# EAGLE board Mk4 Final Panel 8up 4x2 (EAGLE 9.0.1), part 22 of 23 (continued)
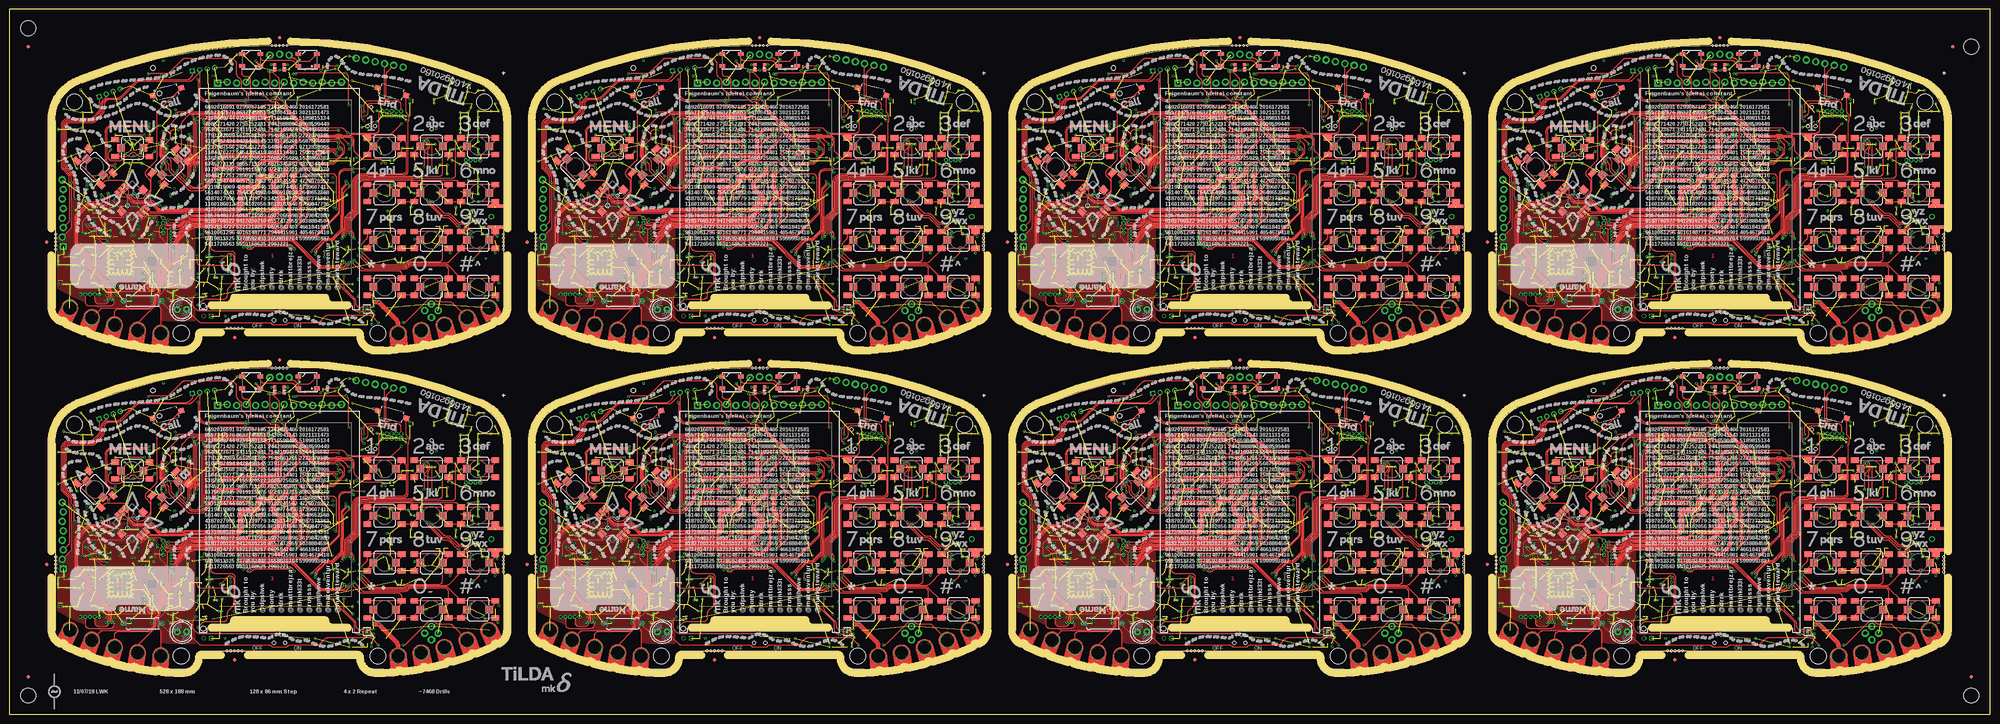
[diagram p0: board, top side]
## Tracks (layer width: path | path; a pad name or v marks a point on that pad's centre or on a via) (continued)
V_UNREG  (via drill 0.3)  (10 unrouted)
  Top 0.2: v60,27.45 v60,27.44 60.08,27.52 60.08,36.6 arc90 59.08,37.6 54.75,37.6 arc-90 53.75,38.6 53.75,40.74 arc45 53.46,41.44 v51.95,42.95
  Top 1.25: 103.62,17.38 103.62,18.05 arc45 103.03,19.47 v98.5,24 v97.25,24
  Top 1.5: PCB.VBATT 103.62,17.38
  3V3@2 1.25: v55.7,27.5 v56.5,27.5 56.55,27.45 v60,27.45 85,27.45 87.25,25.2 91.55,25.2 92.75,24 v97.25,24 v98.5,24
  Bottom 0.2: 53.5,33.45 IC8.15 53.5,33 | IC8.16 53,33 | R18.2 arc90 53.05,43.2 52.55,43.2 arc45 v51.95,42.95
  Bottom 0.4: TP18.TP v56.5,27.5
  pour Bottom (no thermals): 47.5,31 47.5,30 arc90 48,29.5 49,29.5 arc-90 49.5,29 49.5,27.5 53,27.5 53.35,27.15 arc45 53.71,27 56.5,27 arc90 57,27.5 arc90 56.5,28 54.12,28 arc-48 53.75,28.17 53.13,28.86 arc-42 53,29.19 53,29.29 arc-45 53.15,29.65 53.4,29.9 arc45 53.55,30.26 53.55,33.45 53.5,33.5 53,33.5 52.7,33.2 52.7,30.45 52.15,29.9 arc-45 51.79,29.75 50.21,29.75 arc-45 49.85,29.9 49.5,30.25 49.5,31
V_UNREG1  (via drill 0.3)  (10 unrouted)
  Top 0.2: v188,27.45 v188,27.44 188.07,27.52 188.07,36.6 arc90 187.07,37.6 182.75,37.6 arc-90 181.75,38.6 181.75,40.74 arc45 181.46,41.44 v179.95,42.95
  Top 1.25: 231.62,17.38 231.62,18.05 arc45 231.03,19.47 v226.5,24 v225.25,24
  Top 1.5: PCB1.VBATT 231.62,17.38
  3V3@2 1.25: v183.7,27.5 v184.5,27.5 184.55,27.45 v188,27.45 213,27.45 215.25,25.2 219.55,25.2 220.75,24 v225.25,24 v226.5,24
  Bottom 0.2: 181.5,33.45 IC24.15 181.5,33 | IC24.16 181,33 | R100.2 arc90 181.05,43.2 180.55,43.2 arc45 v179.95,42.95
  Bottom 0.4: TP37.TP v184.5,27.5
  pour Bottom (no thermals): 175.5,31 175.5,30 arc90 176,29.5 177,29.5 arc-90 177.5,29 177.5,27.5 181,27.5 181.35,27.15 arc45 181.71,27 184.5,27 arc90 185,27.5 arc90 184.5,28 182.12,28 arc-48 181.75,28.17 181.13,28.86 arc-42 181,29.19 181,29.29 arc-45 181.15,29.65 181.4,29.9 arc45 181.55,30.26 181.55,33.45 181.5,33.5 181,33.5 180.7,33.2 180.7,30.45 180.15,29.9 arc-45 179.79,29.75 178.21,29.75 arc-45 177.85,29.9 177.5,30.25 177.5,31
V_UNREG2  (via drill 0.3)  (10 unrouted)
  Top 0.2: v60,113.45 v60,113.44 60.08,113.52 60.08,122.6 arc90 59.08,123.6 54.75,123.6 arc-90 53.75,124.6 53.75,126.74 arc45 53.46,127.44 v51.95,128.95
  Top 1.25: 103.62,103.38 103.62,104.06 arc45 103.03,105.47 v98.5,110 v97.25,110
  Top 1.5: PCB2.VBATT 103.62,103.38
  3V3@2 1.25: v55.7,113.5 v56.5,113.5 56.55,113.45 v60,113.45 85,113.45 87.25,111.2 91.55,111.2 92.75,110 v97.25,110 v98.5,110
  Bottom 0.2: 53.5,119.45 IC42.15 53.5,119 | IC42.16 53,119 | R178.2 arc90 53.05,129.2 52.55,129.2 arc45 v51.95,128.95
  Bottom 0.4: TP56.TP v56.5,113.5
  pour Bottom (no thermals): 47.5,117 47.5,116 arc90 48,115.5 49,115.5 arc-90 49.5,115 49.5,113.5 53,113.5 53.35,113.15 arc45 53.71,113 56.5,113 arc90 57,113.5 arc90 56.5,114 54.12,114 arc-48 53.75,114.17 53.13,114.86 arc-42 53,115.19 53,115.29 arc-45 53.15,115.65 53.4,115.9 arc45 53.55,116.26 53.55,119.45 53.5,119.5 53,119.5 52.7,119.2 52.7,116.45 52.15,115.9 arc-45 51.79,115.75 50.21,115.75 arc-45 49.85,115.9 49.5,116.25 49.5,117
V_UNREG3  (via drill 0.3)  (10 unrouted)
  Top 0.2: v188,113.45 v188,113.44 188.07,113.52 188.07,122.6 arc90 187.07,123.6 182.75,123.6 arc-90 181.75,124.6 181.75,126.74 arc45 181.46,127.44 v179.95,128.95
  Top 1.25: 231.62,103.38 231.62,104.06 arc45 231.03,105.47 v226.5,110 v225.25,110
  Top 1.5: PCB3.VBATT 231.62,103.38
  3V3@2 1.25: v183.7,113.5 v184.5,113.5 184.55,113.45 v188,113.45 213,113.45 215.25,111.2 219.55,111.2 220.75,110 v225.25,110 v226.5,110
  Bottom 0.2: 181.5,119.45 IC60.15 181.5,119 | IC60.16 181,119 | R256.2 arc90 181.05,129.2 180.55,129.2 arc45 v179.95,128.95
  Bottom 0.4: TP75.TP v184.5,113.5
  pour Bottom (no thermals): 175.5,117 175.5,116 arc90 176,115.5 177,115.5 arc-90 177.5,115 177.5,113.5 181,113.5 181.35,113.15 arc45 181.71,113 184.5,113 arc90 185,113.5 arc90 184.5,114 182.12,114 arc-48 181.75,114.17 181.13,114.86 arc-42 181,115.19 181,115.29 arc-45 181.15,115.65 181.4,115.9 arc45 181.55,116.26 181.55,119.45 181.5,119.5 181,119.5 180.7,119.2 180.7,116.45 180.15,115.9 arc-45 179.79,115.75 178.21,115.75 arc-45 177.85,115.9 177.5,116.25 177.5,117
V_UNREG4  (via drill 0.3)  (10 unrouted)
  Top 0.2: v316,27.45 v316,27.44 316.07,27.52 316.07,36.6 arc90 315.07,37.6 310.75,37.6 arc-90 309.75,38.6 309.75,40.74 arc45 309.46,41.44 v307.95,42.95
  Top 1.25: 359.62,17.38 359.62,18.05 arc45 359.03,19.47 v354.5,24 v353.25,24
  Top 1.5: PCB4.VBATT 359.62,17.38
  3V3@2 1.25: v311.7,27.5 v312.5,27.5 312.55,27.45 v316,27.45 341,27.45 343.25,25.2 347.55,25.2 348.75,24 v353.25,24 v354.5,24
  Bottom 0.2: 309.5,33.45 IC78.15 309.5,33 | IC78.16 309,33 | R334.2 arc90 309.05,43.2 308.55,43.2 arc45 v307.95,42.95
  Bottom 0.4: TP94.TP v312.5,27.5
  pour Bottom (no thermals): 303.5,31 303.5,30 arc90 304,29.5 305,29.5 arc-90 305.5,29 305.5,27.5 309,27.5 309.35,27.15 arc45 309.71,27 312.5,27 arc90 313,27.5 arc90 312.5,28 310.12,28 arc-48 309.75,28.17 309.13,28.86 arc-42 309,29.19 309,29.29 arc-45 309.15,29.65 309.4,29.9 arc45 309.55,30.26 309.55,33.45 309.5,33.5 309,33.5 308.7,33.2 308.7,30.45 308.15,29.9 arc-45 307.79,29.75 306.21,29.75 arc-45 305.85,29.9 305.5,30.25 305.5,31
V_UNREG5  (via drill 0.3)  (10 unrouted)
  Top 0.2: v444,27.45 v444,27.44 444.07,27.52 444.07,36.6 arc90 443.07,37.6 438.75,37.6 arc-90 437.75,38.6 437.75,40.74 arc45 437.46,41.44 v435.95,42.95
  Top 1.25: 487.62,17.38 487.62,18.05 arc45 487.03,19.47 v482.5,24 v481.25,24
  Top 1.5: PCB5.VBATT 487.62,17.38
  3V3@2 1.25: v439.7,27.5 v440.5,27.5 440.55,27.45 v444,27.45 469,27.45 471.25,25.2 475.55,25.2 476.75,24 v481.25,24 v482.5,24
  Bottom 0.2: 437.5,33.45 IC96.15 437.5,33 | IC96.16 437,33 | R412.2 arc90 437.05,43.2 436.55,43.2 arc45 v435.95,42.95
  Bottom 0.4: TP113.TP v440.5,27.5
  pour Bottom (no thermals): 431.5,31 431.5,30 arc90 432,29.5 433,29.5 arc-90 433.5,29 433.5,27.5 437,27.5 437.35,27.15 arc45 437.71,27 440.5,27 arc90 441,27.5 arc90 440.5,28 438.12,28 arc-48 437.75,28.17 437.13,28.86 arc-42 437,29.19 437,29.29 arc-45 437.15,29.65 437.4,29.9 arc45 437.55,30.26 437.55,33.45 437.5,33.5 437,33.5 436.7,33.2 436.7,30.45 436.15,29.9 arc-45 435.79,29.75 434.21,29.75 arc-45 433.85,29.9 433.5,30.25 433.5,31
V_UNREG6  (via drill 0.3)  (10 unrouted)
  Top 0.2: v316,113.45 v316,113.44 316.07,113.52 316.07,122.6 arc90 315.07,123.6 310.75,123.6 arc-90 309.75,124.6 309.75,126.74 arc45 309.46,127.44 v307.95,128.95
  Top 1.25: 359.62,103.38 359.62,104.06 arc45 359.03,105.47 v354.5,110 v353.25,110
  Top 1.5: PCB6.VBATT 359.62,103.38
  3V3@2 1.25: v311.7,113.5 v312.5,113.5 312.55,113.45 v316,113.45 341,113.45 343.25,111.2 347.55,111.2 348.75,110 v353.25,110 v354.5,110
  Bottom 0.2: 309.5,119.45 IC114.15 309.5,119 | IC114.16 309,119 | R490.2 arc90 309.05,129.2 308.55,129.2 arc45 v307.95,128.95
  Bottom 0.4: TP132.TP v312.5,113.5
  pour Bottom (no thermals): 303.5,117 303.5,116 arc90 304,115.5 305,115.5 arc-90 305.5,115 305.5,113.5 309,113.5 309.35,113.15 arc45 309.71,113 312.5,113 arc90 313,113.5 arc90 312.5,114 310.12,114 arc-48 309.75,114.17 309.13,114.86 arc-42 309,115.19 309,115.29 arc-45 309.15,115.65 309.4,115.9 arc45 309.55,116.26 309.55,119.45 309.5,119.5 309,119.5 308.7,119.2 308.7,116.45 308.15,115.9 arc-45 307.79,115.75 306.21,115.75 arc-45 305.85,115.9 305.5,116.25 305.5,117
V_UNREG7  (via drill 0.3)  (10 unrouted)
  Top 0.2: v444,113.45 v444,113.44 444.07,113.52 444.07,122.6 arc90 443.07,123.6 438.75,123.6 arc-90 437.75,124.6 437.75,126.74 arc45 437.46,127.44 v435.95,128.95
  Top 1.25: 487.62,103.38 487.62,104.06 arc45 487.03,105.47 v482.5,110 v481.25,110
  Top 1.5: PCB7.VBATT 487.62,103.38
  3V3@2 1.25: v439.7,113.5 v440.5,113.5 440.55,113.45 v444,113.45 469,113.45 471.25,111.2 475.55,111.2 476.75,110 v481.25,110 v482.5,110
  Bottom 0.2: 437.5,119.45 IC132.15 437.5,119 | IC132.16 437,119 | R568.2 arc90 437.05,129.2 436.55,129.2 arc45 v435.95,128.95
  Bottom 0.4: TP151.TP v440.5,113.5
  pour Bottom (no thermals): 431.5,117 431.5,116 arc90 432,115.5 433,115.5 arc-90 433.5,115 433.5,113.5 437,113.5 437.35,113.15 arc45 437.71,113 440.5,113 arc90 441,113.5 arc90 440.5,114 438.12,114 arc-48 437.75,114.17 437.13,114.86 arc-42 437,115.19 437,115.29 arc-45 437.15,115.65 437.4,115.9 arc45 437.55,116.26 437.55,119.45 437.5,119.5 437,119.5 436.7,119.2 436.7,116.45 436.15,115.9 arc-45 435.79,115.75 434.21,115.75 arc-45 433.85,115.9 433.5,116.25 433.5,117
VBAT  (via drill 0.3)  (5 unrouted)
  Bottom 0.15: IC8.14 54,33.35 | 54.8,32 C35.1 | IC8.13 54.5,33.35
  Bottom 0.4: TP14.TP 55.64,29.36 arc-45 55.35,30.06 v55.35,30.5
  Bottom 1: J5.2 93.15,28.8 C34.1 | C34.1 91.6,28.65 v91.5,28.75 | C34.1 v93,30
  other vias: 54.6,30.5
  pour Bottom (no thermals): 54,33.55 54,30.2 54.2,30 55.5,30 55.75,30.3 55.75,30.75 55.25,31.25 55.25,32.9 54.6,33.55
  pour 3V3@2 (no thermals): 92.5,28 55.6,28 54.35,29.25 54.35,30.55 54.6,30.8 55.4,30.8 56.1,30 91,30 91.5,30.5 93,30.5 93.5,30 93.5,29
VBAT1  (via drill 0.3)  (5 unrouted)
  Bottom 0.15: IC24.14 182,33.35 | 182.8,32 C147.1 | IC24.13 182.5,33.35
  Bottom 0.4: TP33.TP 183.64,29.36 arc-45 183.35,30.06 v183.35,30.5
  Bottom 1: J12.2 221.15,28.8 C146.1 | C146.1 219.6,28.65 v219.5,28.75 | C146.1 v221,30
  other vias: 182.6,30.5
  pour Bottom (no thermals): 182,33.55 182,30.2 182.2,30 183.5,30 183.75,30.3 183.75,30.75 183.25,31.25 183.25,32.9 182.6,33.55
  pour 3V3@2 (no thermals): 220.5,28 183.6,28 182.35,29.25 182.35,30.55 182.6,30.8 183.4,30.8 184.1,30 219,30 219.5,30.5 221,30.5 221.5,30 221.5,29
VBAT2  (via drill 0.3)  (5 unrouted)
  Bottom 0.15: IC42.14 54,119.35 | 54.8,118 C255.1 | IC42.13 54.5,119.35
  Bottom 0.4: TP52.TP 55.64,115.36 arc-45 55.35,116.06 v55.35,116.5
  Bottom 1: J22.2 93.15,114.8 C254.1 | C254.1 91.6,114.65 v91.5,114.75 | C254.1 v93,116
  other vias: 54.6,116.5
  pour Bottom (no thermals): 54,119.55 54,116.2 54.2,116 55.5,116 55.75,116.3 55.75,116.75 55.25,117.25 55.25,118.9 54.6,119.55
  pour 3V3@2 (no thermals): 92.5,114 55.6,114 54.35,115.25 54.35,116.55 54.6,116.8 55.4,116.8 56.1,116 91,116 91.5,116.5 93,116.5 93.5,116 93.5,115
VBAT3  (via drill 0.3)  (5 unrouted)
  Bottom 0.15: IC60.14 182,119.35 | 182.8,118 C363.1 | IC60.13 182.5,119.35
  Bottom 0.4: TP71.TP 183.64,115.36 arc-45 183.35,116.06 v183.35,116.5
  Bottom 1: J32.2 221.15,114.8 C362.1 | C362.1 219.6,114.65 v219.5,114.75 | C362.1 v221,116
  other vias: 182.6,116.5
  pour Bottom (no thermals): 182,119.55 182,116.2 182.2,116 183.5,116 183.75,116.3 183.75,116.75 183.25,117.25 183.25,118.9 182.6,119.55
  pour 3V3@2 (no thermals): 220.5,114 183.6,114 182.35,115.25 182.35,116.55 182.6,116.8 183.4,116.8 184.1,116 219,116 219.5,116.5 221,116.5 221.5,116 221.5,115
VBAT4  (via drill 0.3)  (5 unrouted)
  Bottom 0.15: IC78.14 310,33.35 | 310.8,32 C471.1 | IC78.13 310.5,33.35
  Bottom 0.4: TP90.TP 311.64,29.36 arc-45 311.35,30.06 v311.35,30.5
  Bottom 1: J42.2 349.15,28.8 C470.1 | C470.1 347.6,28.65 v347.5,28.75 | C470.1 v349,30
  other vias: 310.6,30.5
  pour Bottom (no thermals): 310,33.55 310,30.2 310.2,30 311.5,30 311.75,30.3 311.75,30.75 311.25,31.25 311.25,32.9 310.6,33.55
  pour 3V3@2 (no thermals): 348.5,28 311.6,28 310.35,29.25 310.35,30.55 310.6,30.8 311.4,30.8 312.1,30 347,30 347.5,30.5 349,30.5 349.5,30 349.5,29
VBAT5  (via drill 0.3)  (5 unrouted)
  Bottom 0.15: IC96.14 438,33.35 | 438.8,32 C579.1 | IC96.13 438.5,33.35
  Bottom 0.4: TP109.TP 439.64,29.36 arc-45 439.35,30.06 v439.35,30.5
  Bottom 1: J52.2 477.15,28.8 C578.1 | C578.1 475.6,28.65 v475.5,28.75 | C578.1 v477,30
  other vias: 438.6,30.5
  pour Bottom (no thermals): 438,33.55 438,30.2 438.2,30 439.5,30 439.75,30.3 439.75,30.75 439.25,31.25 439.25,32.9 438.6,33.55
  pour 3V3@2 (no thermals): 476.5,28 439.6,28 438.35,29.25 438.35,30.55 438.6,30.8 439.4,30.8 440.1,30 475,30 475.5,30.5 477,30.5 477.5,30 477.5,29
VBAT6  (via drill 0.3)  (5 unrouted)
  Bottom 0.15: IC114.14 310,119.35 | 310.8,118 C687.1 | IC114.13 310.5,119.35
  Bottom 0.4: TP128.TP 311.64,115.36 arc-45 311.35,116.06 v311.35,116.5
  Bottom 1: J62.2 349.15,114.8 C686.1 | C686.1 347.6,114.65 v347.5,114.75 | C686.1 v349,116
  other vias: 310.6,116.5
  pour Bottom (no thermals): 310,119.55 310,116.2 310.2,116 311.5,116 311.75,116.3 311.75,116.75 311.25,117.25 311.25,118.9 310.6,119.55
  pour 3V3@2 (no thermals): 348.5,114 311.6,114 310.35,115.25 310.35,116.55 310.6,116.8 311.4,116.8 312.1,116 347,116 347.5,116.5 349,116.5 349.5,116 349.5,115
VBAT7  (via drill 0.3)  (5 unrouted)
  Bottom 0.15: IC132.14 438,119.35 | 438.8,118 C795.1 | IC132.13 438.5,119.35
  Bottom 0.4: TP147.TP 439.64,115.36 arc-45 439.35,116.06 v439.35,116.5
  Bottom 1: J72.2 477.15,114.8 C794.1 | C794.1 475.6,114.65 v475.5,114.75 | C794.1 v477,116
  other vias: 438.6,116.5
  pour Bottom (no thermals): 438,119.55 438,116.2 438.2,116 439.5,116 439.75,116.3 439.75,116.75 439.25,117.25 439.25,118.9 438.6,119.55
  pour 3V3@2 (no thermals): 476.5,114 439.6,114 438.35,115.25 438.35,116.55 438.6,116.8 439.4,116.8 440.1,116 475,116 475.5,116.5 477,116.5 477.5,116 477.5,115
VBATT  (via drill 0.3)  (19 unrouted)
  Top 0.15: v42.2,25 arc45 42.68,24.8 46.3,24.8 v46.5,25
  Top 0.5: LED2.1 81.34,86.29 arc-45 80.64,86 v78.75,86 | LED1.1 65.75,88.1 v65.75,88.25
  3V3@2 0.5: 71.25,88.25 76.5,88.25 v78.75,86
  3V3@2 1: JP2.2 72,89 71.25,88.25 v65.75,88.25 47.5,88.25 44.5,85.25 44.5,78 43,76.5 v43,52.65 v43,52.05 | v47.25,25 v46.5,25 46.5,30.41 47.2,31.11 47.2,32.55 44.62,35.12 44.62,36.62 45.5,37.5 v45.5,49.3 45.5,49.5 v45.15,49.85
  Bottom 0.25: IC9.1 42.96,25.35 arc45 42.26,25.06 v42.2,25
  Bottom 0.4: TP15.TP v52.4,25.5
  Bottom 0.5: C1.1 66.62,88.25 v65.75,88.25
  Bottom 1: v43,52.65 v43,52.05 43,52 v45.15,49.85 45.5,49.5 v45.5,49.3
  other vias: 51.75,25.25 51,25.25 105.25,34.5 102.75,35.5 104.25,34.5 103.5,34.5
  pour Bottom (no thermals): 51.35,26.4 52.8,26.4 52.8,25.05 arc-90 52.3,24.55 46.65,24.55 46.65,25.5 50.85,25.5 arc90 51.35,26
  pour Bottom (no thermals): 105.09,34.25 103.25,34.25 arc-90 102.25,35.25 102.25,36 arc-90 103.25,37 113,37 arc90 114,38 114,41.25 arc-90 115,42.25 115.25,42.25 115.5,42.5 115.5,45 117,45 117,42.8 arc-90 116,41.8 115.75,41.8 arc90 114.75,40.8 114.75,36 arc-90 113.75,35 106.66,35 arc45 105.96,34.71 105.79,34.54 arc-45
  pour 3V3@2 (no thermals): 104,37.5 106.5,37.5 107.5,36.5 107.5,35 107,34.5 97.5,34.5 95.5,32.5 54,32.5 52.8,31.4 52.8,25.6 52.3,25 51,25 50.75,25.25 50.75,32.5 52.25,34 94,34 96.5,36.5 103,36.5
  pour Bottom (no thermals): 44.2,25.9 44.2,25.8 44.75,25.8 45.1,25.45 45.1,25.05 arc90 45.6,24.55 46.8,24.55 46.8,25.5 46.15,25.5 45.8,25.85 45,25.85 44.95,25.9
VBATT1  (via drill 0.3)  (19 unrouted)
  Top 0.15: v170.2,25 arc45 170.68,24.8 174.3,24.8 v174.5,25
  Top 0.5: LED8.1 209.34,86.29 arc-45 208.64,86 v206.75,86 | LED7.1 193.75,88.1 v193.75,88.25
  3V3@2 0.5: 199.25,88.25 204.5,88.25 v206.75,86
  3V3@2 1: JP11.2 200,89 199.25,88.25 v193.75,88.25 175.5,88.25 172.5,85.25 172.5,78 171,76.5 v171,52.65 v171,52.05 | v175.25,25 v174.5,25 174.5,30.41 175.2,31.11 175.2,32.55 172.62,35.12 172.62,36.62 173.5,37.5 v173.5,49.3 173.5,49.5 v173.15,49.85
  Bottom 0.25: IC33.1 170.96,25.35 arc45 170.26,25.06 v170.2,25
  Bottom 0.4: TP34.TP v180.4,25.5
  Bottom 0.5: C111.1 194.62,88.25 v193.75,88.25
  Bottom 1: v171,52.65 v171,52.05 171,52 v173.15,49.85 173.5,49.5 v173.5,49.3
  other vias: 179.75,25.25 179,25.25 233.25,34.5 230.75,35.5 232.25,34.5 231.5,34.5
  pour Bottom (no thermals): 179.35,26.4 180.8,26.4 180.8,25.05 arc-90 180.3,24.55 174.65,24.55 174.65,25.5 178.85,25.5 arc90 179.35,26
  pour Bottom (no thermals): 233.09,34.25 231.25,34.25 arc-90 230.25,35.25 230.25,36 arc-90 231.25,37 241,37 arc90 242,38 242,41.25 arc-90 243,42.25 243.25,42.25 243.5,42.5 243.5,45 245,45 245,42.8 arc-90 244,41.8 243.75,41.8 arc90 242.75,40.8 242.75,36 arc-90 241.75,35 234.66,35 arc45 233.96,34.71 233.79,34.54 arc-45
  pour 3V3@2 (no thermals): 232,37.5 234.5,37.5 235.5,36.5 235.5,35 235,34.5 225.5,34.5 223.5,32.5 182,32.5 180.8,31.4 180.8,25.6 180.3,25 179,25 178.75,25.25 178.75,32.5 180.25,34 222,34 224.5,36.5 231,36.5
  pour Bottom (no thermals): 172.2,25.9 172.2,25.8 172.75,25.8 173.1,25.45 173.1,25.05 arc90 173.6,24.55 174.8,24.55 174.8,25.5 174.15,25.5 173.8,25.85 173,25.85 172.95,25.9
VBATT2  (via drill 0.3)  (19 unrouted)
  Top 0.15: v42.2,111 arc45 42.68,110.8 46.3,110.8 v46.5,111
  Top 0.5: LED14.1 81.34,172.29 arc-45 80.64,172 v78.75,172 | LED13.1 65.75,174.1 v65.75,174.25
  3V3@2 0.5: 71.25,174.25 76.5,174.25 v78.75,172
  3V3@2 1: JP20.2 72,175 71.25,174.25 v65.75,174.25 47.5,174.25 44.5,171.25 44.5,164 43,162.5 v43,138.65 v43,138.05 | v47.25,111 v46.5,111 46.5,116.41 47.2,117.11 47.2,118.55 44.62,121.12 44.62,122.62 45.5,123.5 v45.5,135.3 45.5,135.5 v45.15,135.85
  Bottom 0.25: IC51.1 42.96,111.35 arc45 42.26,111.06 v42.2,111
  Bottom 0.4: TP53.TP v52.4,111.5
  Bottom 0.5: C219.1 66.62,174.25 v65.75,174.25
  Bottom 1: v43,138.65 v43,138.05 43,138 v45.15,135.85 45.5,135.5 v45.5,135.3
  other vias: 51.75,111.25 51,111.25 105.25,120.5 102.75,121.5 104.25,120.5 103.5,120.5
  pour Bottom (no thermals): 51.35,112.4 52.8,112.4 52.8,111.05 arc-90 52.3,110.55 46.65,110.55 46.65,111.5 50.85,111.5 arc90 51.35,112
  pour Bottom (no thermals): 105.09,120.25 103.25,120.25 arc-90 102.25,121.25 102.25,122 arc-90 103.25,123 113,123 arc90 114,124 114,127.25 arc-90 115,128.25 115.25,128.25 115.5,128.5 115.5,131 117,131 117,128.8 arc-90 116,127.8 115.75,127.8 arc90 114.75,126.8 114.75,122 arc-90 113.75,121 106.66,121 arc45 105.96,120.71 105.79,120.54 arc-45
  pour 3V3@2 (no thermals): 104,123.5 106.5,123.5 107.5,122.5 107.5,121 107,120.5 97.5,120.5 95.5,118.5 54,118.5 52.8,117.4 52.8,111.6 52.3,111 51,111 50.75,111.25 50.75,118.5 52.25,120 94,120 96.5,122.5 103,122.5
  pour Bottom (no thermals): 44.2,111.9 44.2,111.8 44.75,111.8 45.1,111.45 45.1,111.05 arc90 45.6,110.55 46.8,110.55 46.8,111.5 46.15,111.5 45.8,111.85 45,111.85 44.95,111.9
VBATT3  (via drill 0.3)  (19 unrouted)
  Top 0.15: v170.2,111 arc45 170.68,110.8 174.3,110.8 v174.5,111
  Top 0.5: LED20.1 209.34,172.29 arc-45 208.64,172 v206.75,172 | LED19.1 193.75,174.1 v193.75,174.25
  3V3@2 0.5: 199.25,174.25 204.5,174.25 v206.75,172
  3V3@2 1: JP29.2 200,175 199.25,174.25 v193.75,174.25 175.5,174.25 172.5,171.25 172.5,164 171,162.5 v171,138.65 v171,138.05 | v175.25,111 v174.5,111 174.5,116.41 175.2,117.11 175.2,118.55 172.62,121.12 172.62,122.62 173.5,123.5 v173.5,135.3 173.5,135.5 v173.15,135.85
  Bottom 0.25: IC69.1 170.96,111.35 arc45 170.26,111.06 v170.2,111
  Bottom 0.4: TP72.TP v180.4,111.5
  Bottom 0.5: C327.1 194.62,174.25 v193.75,174.25
  Bottom 1: v171,138.65 v171,138.05 171,138 v173.15,135.85 173.5,135.5 v173.5,135.3
  other vias: 179.75,111.25 179,111.25 233.25,120.5 230.75,121.5 232.25,120.5 231.5,120.5
  pour Bottom (no thermals): 179.35,112.4 180.8,112.4 180.8,111.05 arc-90 180.3,110.55 174.65,110.55 174.65,111.5 178.85,111.5 arc90 179.35,112
  pour Bottom (no thermals): 233.09,120.25 231.25,120.25 arc-90 230.25,121.25 230.25,122 arc-90 231.25,123 241,123 arc90 242,124 242,127.25 arc-90 243,128.25 243.25,128.25 243.5,128.5 243.5,131 245,131 245,128.8 arc-90 244,127.8 243.75,127.8 arc90 242.75,126.8 242.75,122 arc-90 241.75,121 234.66,121 arc45 233.96,120.71 233.79,120.54 arc-45
  pour 3V3@2 (no thermals): 232,123.5 234.5,123.5 235.5,122.5 235.5,121 235,120.5 225.5,120.5 223.5,118.5 182,118.5 180.8,117.4 180.8,111.6 180.3,111 179,111 178.75,111.25 178.75,118.5 180.25,120 222,120 224.5,122.5 231,122.5
  pour Bottom (no thermals): 172.2,111.9 172.2,111.8 172.75,111.8 173.1,111.45 173.1,111.05 arc90 173.6,110.55 174.8,110.55 174.8,111.5 174.15,111.5 173.8,111.85 173,111.85 172.95,111.9
VBATT4  (via drill 0.3)  (19 unrouted)
  Top 0.15: v298.2,25 arc45 298.68,24.8 302.3,24.8 v302.5,25
  Top 0.5: LED26.1 337.34,86.29 arc-45 336.64,86 v334.75,86 | LED25.1 321.75,88.1 v321.75,88.25
  3V3@2 0.5: 327.25,88.25 332.5,88.25 v334.75,86
  3V3@2 1: JP38.2 328,89 327.25,88.25 v321.75,88.25 303.5,88.25 300.5,85.25 300.5,78 299,76.5 v299,52.65 v299,52.05 | v303.25,25 v302.5,25 302.5,30.41 303.2,31.11 303.2,32.55 300.62,35.12 300.62,36.62 301.5,37.5 v301.5,49.3 301.5,49.5 v301.15,49.85
  Bottom 0.25: IC87.1 298.96,25.35 arc45 298.26,25.06 v298.2,25
  Bottom 0.4: TP91.TP v308.4,25.5
  Bottom 0.5: C435.1 322.62,88.25 v321.75,88.25
  Bottom 1: v299,52.65 v299,52.05 299,52 v301.15,49.85 301.5,49.5 v301.5,49.3
  other vias: 307.75,25.25 307,25.25 361.25,34.5 358.75,35.5 360.25,34.5 359.5,34.5
  pour Bottom (no thermals): 307.35,26.4 308.8,26.4 308.8,25.05 arc-90 308.3,24.55 302.65,24.55 302.65,25.5 306.85,25.5 arc90 307.35,26
  pour Bottom (no thermals): 361.09,34.25 359.25,34.25 arc-90 358.25,35.25 358.25,36 arc-90 359.25,37 369,37 arc90 370,38 370,41.25 arc-90 371,42.25 371.25,42.25 371.5,42.5 371.5,45 373,45 373,42.8 arc-90 372,41.8 371.75,41.8 arc90 370.75,40.8 370.75,36 arc-90 369.75,35 362.66,35 arc45 361.96,34.71 361.79,34.54 arc-45
  pour 3V3@2 (no thermals): 360,37.5 362.5,37.5 363.5,36.5 363.5,35 363,34.5 353.5,34.5 351.5,32.5 310,32.5 308.8,31.4 308.8,25.6 308.3,25 307,25 306.75,25.25 306.75,32.5 308.25,34 350,34 352.5,36.5 359,36.5
  pour Bottom (no thermals): 300.2,25.9 300.2,25.8 300.75,25.8 301.1,25.45 301.1,25.05 arc90 301.6,24.55 302.8,24.55 302.8,25.5 302.15,25.5 301.8,25.85 301,25.85 300.95,25.9
VBATT5  (via drill 0.3)  (19 unrouted)
  Top 0.15: v426.2,25 arc45 426.68,24.8 430.3,24.8 v430.5,25
  Top 0.5: LED32.1 465.34,86.29 arc-45 464.64,86 v462.75,86 | LED31.1 449.75,88.1 v449.75,88.25
  3V3@2 0.5: 455.25,88.25 460.5,88.25 v462.75,86
  3V3@2 1: JP47.2 456,89 455.25,88.25 v449.75,88.25 431.5,88.25 428.5,85.25 428.5,78 427,76.5 v427,52.65 v427,52.05 | v431.25,25 v430.5,25 430.5,30.41 431.2,31.11 431.2,32.55 428.62,35.12 428.62,36.62 429.5,37.5 v429.5,49.3 429.5,49.5 v429.15,49.85
  Bottom 0.25: IC105.1 426.96,25.35 arc45 426.26,25.06 v426.2,25
  Bottom 0.4: TP110.TP v436.4,25.5
  Bottom 0.5: C543.1 450.62,88.25 v449.75,88.25
  Bottom 1: v427,52.65 v427,52.05 427,52 v429.15,49.85 429.5,49.5 v429.5,49.3
  other vias: 435.75,25.25 435,25.25 489.25,34.5 486.75,35.5 488.25,34.5 487.5,34.5
  pour Bottom (no thermals): 435.35,26.4 436.8,26.4 436.8,25.05 arc-90 436.3,24.55 430.65,24.55 430.65,25.5 434.85,25.5 arc90 435.35,26
  pour Bottom (no thermals): 489.09,34.25 487.25,34.25 arc-90 486.25,35.25 486.25,36 arc-90 487.25,37 497,37 arc90 498,38 498,41.25 arc-90 499,42.25 499.25,42.25 499.5,42.5 499.5,45 501,45 501,42.8 arc-90 500,41.8 499.75,41.8 arc90 498.75,40.8 498.75,36 arc-90 497.75,35 490.66,35 arc45 489.96,34.71 489.79,34.54 arc-45
  pour 3V3@2 (no thermals): 488,37.5 490.5,37.5 491.5,36.5 491.5,35 491,34.5 481.5,34.5 479.5,32.5 438,32.5 436.8,31.4 436.8,25.6 436.3,25 435,25 434.75,25.25 434.75,32.5 436.25,34 478,34 480.5,36.5 487,36.5
  pour Bottom (no thermals): 428.2,25.9 428.2,25.8 428.75,25.8 429.1,25.45 429.1,25.05 arc90 429.6,24.55 430.8,24.55 430.8,25.5 430.15,25.5 429.8,25.85 429,25.85 428.95,25.9
VBATT6  (via drill 0.3)  (19 unrouted)
  Top 0.15: v298.2,111 arc45 298.68,110.8 302.3,110.8 v302.5,111
  Top 0.5: LED38.1 337.34,172.29 arc-45 336.64,172 v334.75,172 | LED37.1 321.75,174.1 v321.75,174.25
  3V3@2 0.5: 327.25,174.25 332.5,174.25 v334.75,172
  3V3@2 1: JP56.2 328,175 327.25,174.25 v321.75,174.25 303.5,174.25 300.5,171.25 300.5,164 299,162.5 v299,138.65 v299,138.05 | v303.25,111 v302.5,111 302.5,116.41 303.2,117.11 303.2,118.55 300.62,121.12 300.62,122.62 301.5,123.5 v301.5,135.3 301.5,135.5 v301.15,135.85
  Bottom 0.25: IC123.1 298.96,111.35 arc45 298.26,111.06 v298.2,111
  Bottom 0.4: TP129.TP v308.4,111.5
  Bottom 0.5: C651.1 322.62,174.25 v321.75,174.25
  Bottom 1: v299,138.65 v299,138.05 299,138 v301.15,135.85 301.5,135.5 v301.5,135.3
  other vias: 307.75,111.25 307,111.25 361.25,120.5 358.75,121.5 360.25,120.5 359.5,120.5
  pour Bottom (no thermals): 307.35,112.4 308.8,112.4 308.8,111.05 arc-90 308.3,110.55 302.65,110.55 302.65,111.5 306.85,111.5 arc90 307.35,112
  pour Bottom (no thermals): 361.09,120.25 359.25,120.25 arc-90 358.25,121.25 358.25,122 arc-90 359.25,123 369,123 arc90 370,124 370,127.25 arc-90 371,128.25 371.25,128.25 371.5,128.5 371.5,131 373,131 373,128.8 arc-90 372,127.8 371.75,127.8 arc90 370.75,126.8 370.75,122 arc-90 369.75,121 362.66,121 arc45 361.96,120.71 361.79,120.54 arc-45
  pour 3V3@2 (no thermals): 360,123.5 362.5,123.5 363.5,122.5 363.5,121 363,120.5 353.5,120.5 351.5,118.5 310,118.5 308.8,117.4 308.8,111.6 308.3,111 307,111 306.75,111.25 306.75,118.5 308.25,120 350,120 352.5,122.5 359,122.5
  pour Bottom (no thermals): 300.2,111.9 300.2,111.8 300.75,111.8 301.1,111.45 301.1,111.05 arc90 301.6,110.55 302.8,110.55 302.8,111.5 302.15,111.5 301.8,111.85 301,111.85 300.95,111.9
VBATT7  (via drill 0.3)  (19 unrouted)
  Top 0.15: v426.2,111 arc45 426.68,110.8 430.3,110.8 v430.5,111
  Top 0.5: LED44.1 465.34,172.29 arc-45 464.64,172 v462.75,172 | LED43.1 449.75,174.1 v449.75,174.25
  3V3@2 0.5: 455.25,174.25 460.5,174.25 v462.75,172
  3V3@2 1: JP65.2 456,175 455.25,174.25 v449.75,174.25 431.5,174.25 428.5,171.25 428.5,164 427,162.5 v427,138.65 v427,138.05 | v431.25,111 v430.5,111 430.5,116.41 431.2,117.11 431.2,118.55 428.62,121.12 428.62,122.62 429.5,123.5 v429.5,135.3 429.5,135.5 v429.15,135.85
  Bottom 0.25: IC141.1 426.96,111.35 arc45 426.26,111.06 v426.2,111
  Bottom 0.4: TP148.TP v436.4,111.5
  Bottom 0.5: C759.1 450.62,174.25 v449.75,174.25
  Bottom 1: v427,138.65 v427,138.05 427,138 v429.15,135.85 429.5,135.5 v429.5,135.3
  other vias: 435.75,111.25 435,111.25 489.25,120.5 486.75,121.5 488.25,120.5 487.5,120.5
  pour Bottom (no thermals): 435.35,112.4 436.8,112.4 436.8,111.05 arc-90 436.3,110.55 430.65,110.55 430.65,111.5 434.85,111.5 arc90 435.35,112